# Altium PCB ecoVENTV_v1.1.PcbDoc (part 1 of 3) (continued)
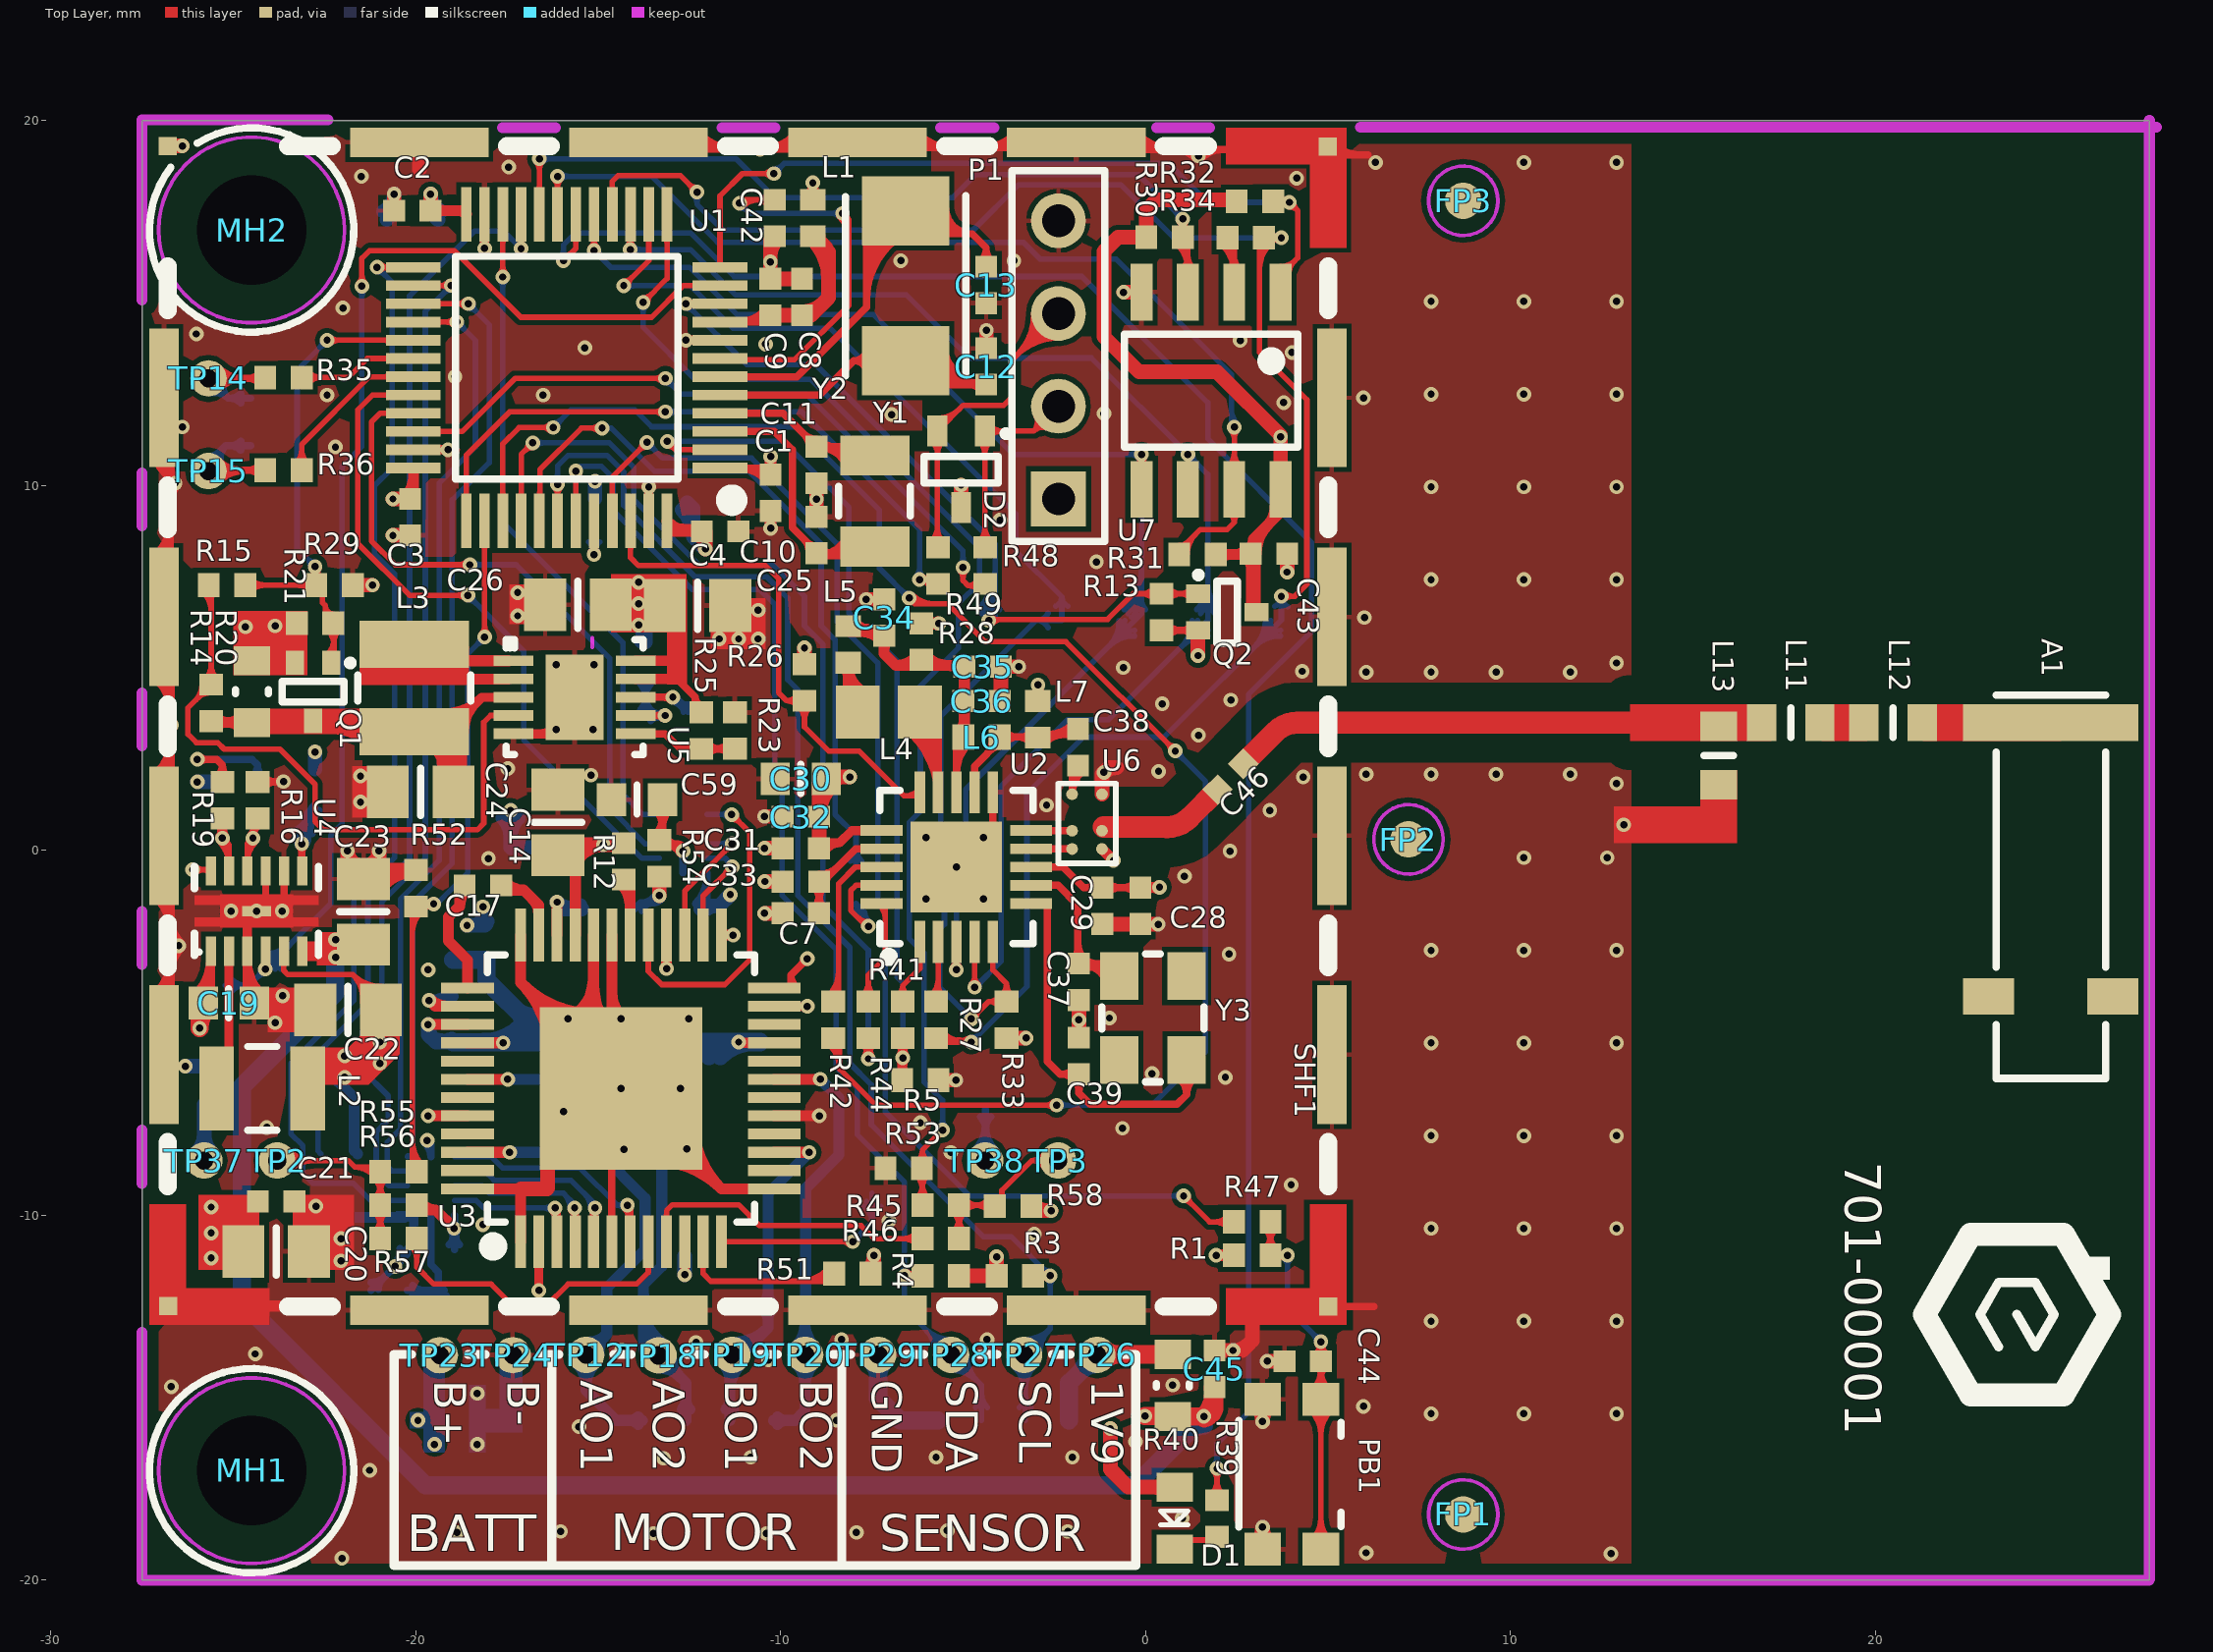
[diagram p0: Top Layer view]
## Footprints (in the part's own frame and the unit in brackets; to place one, negate y for a bottom-side part, rotate by r counter-clockwise, add the part's x,y. Pads: shape width x height; smd on the part's side, far side on the other; paste and mask are expansions set on the pad) (continued)
MOLEX_0781710004 [mm]
  rect 0.6x1 smd: 1(-1.8,1.875) 2(-0.6,1.875) 3(0.6,1.875) 4(1.8,1.875)
  rect 0.8x1 smd: 5(-3,-1.875) 6(3,-1.875)
  silkscreen extent -3.45,-2.39 3.45,2.39, body extent -3.3,-2.48 3.3,2.05, height 1.45
MURATA_LQW18A [mm]
  rect 0.8x1 smd mask+0.051: 1(-0.8,0) 2(0.8,0)
  silkscreen extent 0,-0.4 0,0.4, body extent -0.8,-0.45 0.8,0.45, height 0.81
QFN50P400X400X100-21N [mm]
  rect 1.15x0.29 smd mask+0.051: 1(-2.05,1) 2(-2.05,0.5) 3(-2.05,0) 4(-2.05,-0.5) 5(-2.05,-1) 11(2.05,-1) 12(2.05,-0.5) 13(2.05,0) 14(2.05,0.5) 15(2.05,1)
  rect 0.29x1.15 smd mask+0.051: 6(-1,-2.05) 7(-0.5,-2.05) 8(0,-2.05) 9(0.5,-2.05) 10(1,-2.05) 16(1,2.05) 17(0.5,2.05) 18(0,2.05) 19(-0.5,2.05) 20(-1,2.05)
  rect 2.5x2.5 smd mask+0.051: 21(0,0)
  silkscreen extent -2.59,-2.1 2.1,2.1, body extent -2.01,-2.01 2.01,2.01, height 0.78
QFP50P900X900X120-48N-TP [mm]
  rect 1.45x0.3 smd: 1(-4.2,2.75) 2(-4.2,2.25) 3(-4.2,1.75) 4(-4.2,1.25) 5(-4.2,0.75) 6(-4.2,0.25) 7(-4.2,-0.25) 8(-4.2,-0.75) 9(-4.2,-1.25) 10(-4.2,-1.75) 11(-4.2,-2.25) 12(-4.2,-2.75) 25(4.2,-2.75) 26(4.2,-2.25) 27(4.2,-1.75) 28(4.2,-1.25) 29(4.2,-0.75) 30(4.2,-0.25) 31(4.2,0.25) 32(4.2,0.75) 33(4.2,1.25) 34(4.2,1.75) 35(4.2,2.25) 36(4.2,2.75)
  rect 0.3x1.45 smd: 13(-2.75,-4.2) 14(-2.25,-4.2) 15(-1.75,-4.2) 16(-1.25,-4.2) 17(-0.75,-4.2) 18(-0.25,-4.2) 19(0.25,-4.2) 20(0.75,-4.2) 21(1.25,-4.2) 22(1.75,-4.2) 23(2.25,-4.2) 24(2.75,-4.2) 37(2.75,4.2) 38(2.25,4.2) 39(1.75,4.2) 40(1.25,4.2) 41(0.75,4.2) 42(0.25,4.2) 43(-0.25,4.2) 44(-0.75,4.2) 45(-1.25,4.2) 46(-1.75,4.2) 47(-2.25,4.2) 48(-2.75,4.2)
  rect 4.45x4.45 smd: 49(0,0)
  silkscreen extent -4.52,-3.66 3.66,3.7, body extent -4.51,-4.51 4.51,4.51, height 1.1
QFP50P900X900X160-48N [mm]
  rect 1.5x0.29 smd mask+0.051: 1(-4.2,2.75) 2(-4.2,2.25) 3(-4.2,1.75) 4(-4.2,1.25) 5(-4.2,0.75) 6(-4.2,0.25) 7(-4.2,-0.25) 8(-4.2,-0.75) 9(-4.2,-1.25) 10(-4.2,-1.75) 11(-4.2,-2.25) 12(-4.2,-2.75) 25(4.2,-2.75) 26(4.2,-2.25) 27(4.2,-1.75) 28(4.2,-1.25) 29(4.2,-0.75) 30(4.2,-0.25) 31(4.2,0.25) 32(4.2,0.75) 33(4.2,1.25) 34(4.2,1.75) 35(4.2,2.25) 36(4.2,2.75)
  rect 0.29x1.5 smd mask+0.051: 13(-2.75,-4.2) 14(-2.25,-4.2) 15(-1.75,-4.2) 16(-1.25,-4.2) 17(-0.75,-4.2) 18(-0.25,-4.2) 19(0.25,-4.2) 20(0.75,-4.2) 21(1.25,-4.2) 22(1.75,-4.2) 23(2.25,-4.2) 24(2.75,-4.2) 37(2.75,4.2) 38(2.25,4.2) 39(1.75,4.2) 40(1.25,4.2) 41(0.75,4.2) 42(0.25,4.2) 43(-0.25,4.2) 44(-0.75,4.2) 45(-1.25,4.2) 46(-1.75,4.2) 47(-2.25,4.2) 48(-2.75,4.2)
  silkscreen extent -4.7,-3.05 3.05,3.81, body extent -4.5,-4.5 4.5,4.5, height 1.5
RESC1005X40AN [mm]
  rect 0.6x0.65 smd mask+0.051: 1(-0.5,0) 2(0.5,0)
  body extent -0.5,-0.25 0.5,0.25, height 0.35
RESC1608X84N [mm]
  rect 0.8x1 smd mask+0.051: 1(-0.85,0) 2(0.85,0)
  silkscreen extent -0.05,-0.45 0.05,0.45, body extent -0.8,-0.4 0.8,0.4, height 0.45
RUT40P170X200X55-12N [mm]
  rect 0.6x0.2 smd paste-0.5: 1(-0.65,0.8) 2(-0.65,0.4) 3(-0.65,0) 4(-0.65,-0.4) 5(-0.65,-0.8) 7(0.65,-0.8) 8(0.65,-0.4) 9(0.65,0) 10(0.65,0.4) 11(0.65,0.8)
  rect 0.2x0.6 smd paste-0.5: 6(0,-0.8) 12(0,0.8)
  Top Layer region: -0.95,0.9 -0.95,0.7 -0.35,0.7 -0.35,1.1 -0.5,1.1 -0.5,0.9
  silkscreen extent -1.02,-1.17 1.02,1.17, body extent -0.85,-1 0.85,1, height 0.55
SOIC127P600X175-8N [mm]
  rect 1.55x0.6 smd mask+0.051: 1(-2.7,1.905) 2(-2.7,0.635) 3(-2.7,-0.635) 4(-2.7,-1.905) 5(2.7,-1.905) 6(2.7,-0.635) 7(2.7,0.635) 8(2.7,1.905)
  silkscreen extent -1.55,-2.37 1.55,2.37, body extent -3,-2.45 3,2.45, height 1.75
SON50P200X300X80-12-TP [mm]
  rect 0.8x0.28 smd mask+0.051: 1(-1.1,1.25) 2(-1.1,0.75) 3(-1.1,0.25) 4(-1.1,-0.25) 5(-1.1,-0.75) 6(-1.1,-1.25) 7(1.1,-1.25) 8(1.1,-0.75) 9(1.1,-0.25) 10(1.1,0.25) 11(1.1,0.75) 12(1.1,1.25)
  rect 0.28x0.8 smd mask+0.051: 13(0,0)
  Top Layer region: -0.45,1 -0.45,-1 -0.425,-1 -0.425,-1.7 -0.175,-1.7 -0.175,-1 0.175,-1 0.175,-1.7 0.425,-1.7 0.425,-1 0.45,-1 0.45,1 0.425,1 0.425,1.7 0.175,1.7 0.175,1 -0.175,1 -0.175,1.7 -0.425,1.7 -0.425,1
  silkscreen extent -1.22,-1.7 1.22,1.7, body extent -1,-1.5 1,1.5, height 0.81
SOT50P160X78-3N [mm]
  rect 0.66x0.5 smd mask+0.051: 1(-0.8,0.5) 2(-0.8,-0.5) 3(0.8,0)
  silkscreen extent -0.84,-0.85 0.28,1.07, body extent -0.85,-0.85 0.85,0.85, height 0.78
SOT65P210X110-3N [mm]
  rect 0.85x0.55 smd: 1(-1.05,0.65) 2(-1.05,-0.65) 3(1.05,0)
  silkscreen extent -1.02,-1.02 0.38,1.27, body extent -1.12,-1.1 1.12,1.1, height 1.1
STM_BALF_SPI [mm]
  round 0.32 smd paste-0.32 mask-0.05: A1(-0.41,0.75) A2(0.41,0.75) B1(-0.41,0.25) B2(0.41,0.25) C1(-0.41,-0.75) C2(0.41,-0.75)
  silkscreen extent -0.79,-1.04 0.79,1.14, body extent -0.7,-0.95 0.7,1.05, height 0.66
TEST_POINT_1MM [mm]
  round 1 smd paste-1: 1(0,0)
  body extent -0.5,-0.5 0.5,0.5, height 0.1
TEST_POINT_TH_1MM#1 [mm]
  round 1 hole 0.5 mask+0.051: 1(0,0)
TEST_POINT_TH_1MM#2 [mm]
  round 1 hole 0.5 mask+0.051: 1(0,1.27)
TQFN50P300X300X80-10N-TP [mm]
  rect 1.1x0.29 smd mask+0.051: 1(-1.675,1) 2(-1.675,0.5) 3(-1.675,0) 4(-1.675,-0.5) 5(-1.675,-1) 6(1.675,-1) 7(1.675,-0.5) 8(1.675,0) 9(1.675,0.5) 10(1.675,1)
  rect 1.58x2.35 smd paste+0 mask+0.051: 11(0,0)
  silkscreen extent -1.88,-1.57 1.88,1.57, body extent -1.5,-1.5 1.5,1.5, height 0.8

## Part data
A1: library part AM11DG-ST01, "Mitscubishi SMD Chip Antenna 3.0X10.5mm"
C1 C2 C3 C4 C7 C15 C16 C21 C27 C29 C32 C35 C44 C47 C48 C49 C54 C55 C57 C58: library part "Cap-1005 (0402) CER 0.1UF 16V X7R 10%", "CAP CER 0.1UF 0402 (1005) 16V X7R 10%"
C5 C6 C19 C30 C56 C59: library part "Cap-1608 (0603) CER 10uF 10V X5R 20%", "Capacitor Ceramic 10uF 1608 (0603) 10V X5R 20%"
C8 C42: library part "Cap-1005 (0402) CER 10nF 10V X7R 10%", "Cap-1005 (0402) CER 10nF 10V X7R 10%"
C9 C34 C43 C45: library part "Cap-1005 (0402) CER 1uF 10V X5R 10%", "Cap-1005 (0402) CER 1uF 10V X5R 10%"
C10 C11: library part "Cap-1005 (0402) CER 7pF 50V C0G 0.5pF", "Cap-1005 (0402) CER 7pF 50V C0G 0.5pF"
C12 C13: library part "Cap-1005 (0402) CER 27pF 50V NP0 5%", "CAP CER 27PF 50V 5% NP0 0402 (1005)"
C14 C24: library part "Cap-2012 (0805) CER 4.7uF 10V X5R 10%", "Capacitor Ceramic 4.7uF 2012 (0805) 10V X5R 10%"
C17: library part "Cap-1005 (0402) CER 22nF 50V X7R 10%", "Cap-1005 (0402) CER 22nF 50V X7R 10%"
C18: library part "Cap-1005 (0402) Cer 470nF 16V X5R 10%", "CAP Cer 470nF 0402 (1005) 16V X5R 10%"
C20 C22 C23 C25 C26: library part "Cap-2012 (0805) CER 10uF 10V X5R 10%", "Capacitor Ceramic 10uF 2012 (0805) 10V X5R 10%"
C28 C31 C33: library part "Cap-1005 (0402) CER 100PF 16V C0G 10%", "CAP CER 100PF 0402 (1005) 16V C0G 10%"
C36 C50 C51 C52 C53: library part "Cap-1005 (0402) CER 330pF 50V C0G 5%", "Cap-1005 (0402) CER 330pF 50V C0G 5%"
C37 C39: library part "Cap-1005 (0402) CER 30pF 50V NP0 5%", "CAP CER 30PF 50V 5% NP0 0402 (1005)"
C38 C46: library part "Cap-1005 (0402) CER 220pF 50V C0G 5%", "Cap-1005 (0402) CER 220pF 50V C0G 5%"
C60 C61: library part "Cap-2012 (0805) TAN 10uF 16V 20%", "Cap-2012 (0805) TAN 10uF 16V 20%"
D1: "LED Red 0603 20mA"
D2 D3: "30kV ESD Protection Diode, Vr=2.5V, Vz=5.6V, Ilkg=1uA"
FP1 FP2 FP3 FP4 FP5 FP6: "Fiducial point"
L1 L8 L14 L15: library part "FBead-1005 (0402) 220 Ohm 800mA", "FERRITE BEAD 220 Ohm 800mA 0402"
L2: library part "Ind-2518 (1007) 2.2uH 510mA 20%", "Inductor 2.2uH 510mA 20% 1007"
L3: library part "Ind-3.0X3.0mm 2.2uH 1.25A 20%", "Inductor 2.2uH 1.25A 20% 3.0X3.0mm"
L4: library part "Ind-2012 (0805) 10uH 100mA 20%", "Inductor 10uH 100mA 20% 0805 SMD"
L5: library part "Ind-1005 (0402) 27nH 300mA 5%", "Inductor 27nH 300mA 5% 0402 SMD"
L6 L7: library part "Ind-1005 (0402) 100nH 150mA 5%", "Inductor 100nH 150mA 5% 0402 SMD"
L11: library part "Ind-1608 (0603) 39nH 400mA 2%", "Inductor 39nH 400mA 2% 0603 SMD Wirewound"
L12: library part "Ind-1608 (0603) 8.7nH 650mA 0.5nH", "Inductor 8.7nH 650mA 0.5nH 0603 SMD Wirewound"
L13: library part "Ind-1608 (0603) 7.5nH 750mA 0.5nH", "Inductor 7.5nH 750mA 0.5nH 0603 SMD Wirewound"
MH1 MH2: "Mounting Hole Not-plated"
P1: library part "Header 4", "Header, 4-Pin"
P2 P4: library part "Connector MOLEX Pico-EZmate 1X4 1.2mm", "1.2mm pitch Pico-EZmate, Wire to Board, Vertical, with Locks, 1X4"
P3: library part "Connector MOLEX Pico-EZmate 1X2 1.2mm", "1.2mm pitch Pico-EZmate, Wire to Board, Vertical, with Locks, 1X2"
PB1: library part KMR221NG, "Push Button SPST-NO 4.6X2.8mm"
Q1 Q2 Q3: "P-MOSFET Single 0.83A Low Vgs"
R1 R2 R3 R4 R5 R9 R10 R11 R13 R16 R17 R18 R19 R21 R24 R26 R29 R30 R31 R32 R33 R56 R58: library part "Res-1005 (0402) 100 KOhm 1/16W 1%", "Res-1005 (0402) 100 KOhm 1/16W 1%"
R6: library part "Res-1005 (0402) 10 Ohm 1/16W 1%", "Res-1005 (0402) 10 Ohm 1/16W 1%"
R12: library part "Res-1005 (0402) 22 KOhm 1/16W 1%", "Res-1005 (0402) 22 KOhm 1/16W 1%"
R14 R15 R22 R25 R28: library part "Res-1005 (0402) 0 Ohm 1/16W", "Res-1005 (0402) 0 Ohm 1/16W"
R20 R40: library part "Res-1608 (0603) 0 Ohm 1/10W", "Res-1608 (0603) 0 Ohm 1/10W"
R23: library part "Res-1005 (0402) 105 KOhm 1/16W 1%", "Res-1005 (0402) 105 KOhm 1/16W 1%"
R27 R34 R35 R36 R41 R42 R43 R44 R45 R46 R47 R48 R49 R55 R57: library part "Res-1005 (0402) 22 Ohm 1/8W 1%", "Res-1005 (0402) 22 Ohm 1/8W 1%"
R39: library part "Res-1005 (0402) 200 Ohm 1/10W 5%", "Res-1005 (0402) 200 Ohm 1/10W 5%"
R50 R54: library part "Res-1005 (0402) 100 Ohm 1/16W 1%", "Res-1005 (0402) 100 Ohm 1/16W 1%"
R51 R52 R53: library part "Res-1005 (0402) 49.9 KOhm 1/16W 1%", "Res-1005 (0402) 49.9 KOhm 1/16W 1%"
SHF1: library part BMI-S-204-F, "Board Level Shield 32X32mm, 6mm Height, Frame"
TP1 TP4 TP5 TP6 TP7 TP8 TP9 TP10 TP11 TP13 TP21 TP22 TP25 TP30 TP31 TP32 TP33 TP34 TP35 TP36: library part TP, "Test point"
TP2 TP3 TP12 TP14 TP15 TP18 TP19 TP20 TP23 TP24 TP26 TP27 TP28 TP29 TP37 TP38: library part "TP TH", "Test point Through Hole"
U1: "48-Pin, Access line, ultra-low-power, 32-bit MCU"
U2: "Low data rate, low power sub-1GHZ transceiver"
U3: "Universal high voltage controller/driver for two-phase bipolar stepper motor"
U4: "360nA Iq Step Down Converter for Low Power Applications"
U5: "100nA Iq Step Up Converter for Low Power Applications"
U6: "50 Ohm Balun to Spirit1 With Integrated Harmonic Filter"
U7: library part W25Q80BW, "SPI Flash 8Mbit 1.8V 7uA sleep current"
U9 U10: "4-bit Bidirectional Voltage Translator"
Y1: library part "ABS07-32.768KHz 7pF", "Crystal 32.768KHZ 3.2mm x 1.5 mm 7pF"
Y2: library part ABM3-16.000, "Crystal Oscillator 16MHz 5.0X3.2mm"
Y3: library part CX3225GB50, "Crystal 50.000MHZ 3.2mm x 2.5mm 18pF"

## Via types
v1: diameter 0.4, hole 0.2, Top Layer to Bottom Layer, tented both sides, 327 vias
v2: diameter 0.4, hole 0.2, Top Layer to Bottom Layer, tented top, 11 vias
v3: diameter 0.4, hole 0.2, Top Layer to Bottom Layer, 7 vias

## Nets (pads, with @x,y where several pads share a name; then routed paths per layer and width w, separated by ;. In a path a pad name is that pad's centre, name@x,y a point inside that pad or via, vN(x,y) a via of type N, cw(c..) or ccw(c..) an arc to the next point about the centre after c; other vN are vias at no path point)
1V9: C1.1 C2.1 C3.1 C4.1 C5.1 C6.1 C22.1 D1.1 L1.2 L2.2 P1.1 Q2.2 Q3.2 R1.1 R3.1 R4.1 R9.2 R10.1 R13.1 TP7.1 U1.1 U1.24 U1.36 U1.48 U4.5 | length 36.8
  Top Layer w0.15: -23.623,-3.202 cw(c-23.434,-3.202) U4.5@-23.567,-3.069 ; U4.5@-23.623,-2.684 -23.623,-3.29 -23.505,-3.408 -21.727,-3.408 ; -21.502,-3.632 cw(c-21.992,-4.123) C22.1@-21.303,-4.189 ; C22.1@-21.474,-3.661 ccw(c-20.962,-3.15) C22.1@-20.957,-3.873 ; C22.1@-21.452,-4.175 ccw(c-22.402,-4.083) -21.727,-3.408 ; C22.1@-20.958,-3.723 cw(c-20.966,-2.647) -21.727,-3.408 ; C22.1@-20.552,-4.757 -21.194,-4.114 -21.194,-3.941 -21.727,-3.408
  Top Layer w0.2: U1.1@-11.666,10.477 -10.457,10.477 C1.1@-10.278,10.298 ccw(c-10.71,9.866) -10.71,10.477 ; U1.1@-11.193,10.477 cw(c-11.193,9.383) C1.1@-10.42,10.157 ; R13.1@0.429,6.031 Q2.2@1.432,6.031 ; R13.1@0.595,5.89 cw(c0.936,5.548) 0.936,6.031 cw(c0.936,6.514) R13.1@0.595,6.172 ; Q2.2@1.246,5.925 ccw(c0.99,5.669) 0.99,6.031 ccw(c0.99,6.393) Q2.2@1.246,6.137
  Top Layer w0.254: C1.1@-10.401,10.42 ccw(c-10.696,10.716) -10.278,10.716 ccw(c-9.861,10.716) C1.1@-10.156,10.42 ; v1@-10.341,10.755 cw(c-10.552,10.633) C1.1@-10.317,10.57 ; C1.1@-10.278,10.298 v1(-10.278,10.791) ; C1.1@-10.239,10.57 cw(c-10.004,10.633) v1@-10.215,10.755 ; v1(1.927,-11.097) R1.1@2.418,-11.097 ; v1@1.964,-11.16 cw(c2.084,-11.368) R1.1@2.146,-11.136 ; v1@1.964,-11.033 ccw(c2.084,-10.825) R1.1@2.146,-11.057 ; R1.1@2.295,-11.219 ccw(c2,-11.514) 2,-11.097 ccw(c2,-10.679) R1.1@2.295,-10.974
  Top Layer w0.3: C3.1@-20.262,9.737 ccw(c-20.735,10.21) -20.066,10.21 ; C3.1@-20.156,9.631 -20.066,9.721 U1.36@-20.066,10.443 ; C2.1@-19.595,17.529 U1.24@-18.621,17.529 ; C2.1@-19.489,17.423 cw(c-19.232,17.167) -19.232,17.529 cw(c-19.232,17.891) C2.1@-19.489,17.635 ; -18.851,17.529 cw(c-18.851,17.192) U1.24@-18.613,17.431 ; U1.48@-13.12,9.023 ccw(c-12.437,9.706) C4.1@-12.437,8.741 ; U1.48@-13.11,8.741 C4.1@-12.162,8.741 C4.1@-12.144,8.723 ; -12.696,8.81 ccw(c-12.54,9.395) C4.1@-12.237,8.871 ; C4.1@-12.268,8.635 ccw(c-12.524,8.379) -12.524,8.741 ccw(c-12.524,9.103) C4.1@-12.268,8.847 ; L1.2@-9.228,17.932 ccw(c-9.484,18.188) -9.122,18.188 ccw(c-8.76,18.188) L1.2@-9.016,17.932 ; L1.2@-9.122,17.826 v1(-9.122,18.291)
  Top Layer w0.4: v1@-20.628,9.631 C3.1@-20.162,9.631 ; C2.1@-19.595,17.529 v1(-19.595,17.985) ; C4.1@-12.233,8.67 cw(c-12.629,8.273) v1@-12.068,8.273 ; v1(-12.068,8.258) C4.1@-12.068,8.723 ; R4.1@-5.117,-11.655 R3.1@-4.085,-11.655 v1(-4.085,-11.139) ; v1(-0.968,-15.846) -0.968,-16.964 -0.482,-17.45 -0.228,-17.45 D1.1@0.8,-17.45 ; D1.1@0.559,-17.591 ccw(c0.217,-17.933) 0.217,-17.45 ccw(c0.217,-16.967) D1.1@0.559,-17.309 ; v1(1.432,5.337) Q2.2@1.432,6.031
  Bottom Layer w0.3: TP7.1@-22.127,-6.347 -21.695,-6.779 -21.695,-8.222 Q3.2@-21.601,-8.315
  Bottom Layer w0.4: R10.1@-22.762,2.23 v1(-22.762,2.696) ; C6.1@-19.395,17.279 -19.595,17.479 v1(-19.595,17.985) ccw(c-19.057,17.985) C6.1@-19.303,17.507 ; C5.1@-12.706,9.337 cw(c-13.45,8.593) -12.398,8.593 ; C5.1@-12.565,9.528 -12.398,9.362 -12.398,8.588 v1(-12.068,8.258)
  other v1: -21.949,-6.22 -20.984,-5.839 -21.949,-5.636 -20.984,-5.255 -20.628,9.63
1V9_LS: C54.1 C57.1 Q3.3 R50.1 R54.1 U9.1 U10.1 | length 10.8
  Top Layer w0.4: v1(-13.328,-1.241) R54.1@-13.328,-0.719
  Bottom Layer w0.2: R50.1@-21.23,-12.062 -20.23,-11.062 C54.1@-20.23,-10.919 -20.087,-10.776 -20.087,-10.142 U9.1@-20.237,-9.992 ; R50.1@-21.23,-11.837 ccw(c-21.23,-11.294) -20.845,-11.678 ; R50.1@-21.03,-12.037 cw(c-20.607,-12.037) -20.906,-11.738 ; v1@-20.672,-11.504 ccw(c-21.258,-10.919) C54.1@-20.43,-10.919 ; v1@-20.669,-11.401 cw(c-20.911,-11.401) -20.74,-11.572 cw(c-20.569,-11.743) v1@-20.569,-11.501 ; v1@-20.569,-11.301 ccw(c-20.569,-11.06) -20.398,-11.231 ccw(c-20.228,-11.401) v1@-20.469,-11.401 ; v1@-20.478,-11.36 cw(c-20.273,-11.265) C54.1@-20.469,-11.152 ; C57.1@-13.999,-1.605 C57.1@-13.838,-1.445 ; C57.1@-13.805,-1.656 cw(c-13.531,-1.728) -13.531,-1.445 ; -13.502,-1.445 ccw(c-13.502,-1.147) v1@-13.24,-1.289 ; v1@-13.428,-1.241 cw(c-13.669,-1.241) -13.499,-1.412 cw(c-13.328,-1.583) v1@-13.328,-1.341 ; v1@-13.416,-1.194 cw(c-13.838,-0.963) C57.1@-13.838,-1.445 ; v1@-13.399,-1.171 ccw(c-13.569,-1) -13.328,-1 ccw(c-13.086,-1) v1@-13.257,-1.171 ; U10.1@-13.328,-0.619 v1(-13.328,-1.241) -13.531,-1.445 ; C57.1@-13.838,-1.445 -13.531,-1.445
  Bottom Layer w0.3: Q3.3@-22.076,-9.915 -21.936,-10.055 U9.1@-20.3,-10.055
  other v1: -20.569,-11.401
5V: C18.1 C25.1 C26.1 C47.1 C55.1 C58.1 L8.2 R6.2 R22.1 R25.2 R56.1 R58.1 TP11.1 U3.10 U3.34 U5.9 U5.10 U9.11 U10.11 | length 25.2
  Top Layer w0.2: -12.845,4.694 -12.348,4.197 ; R25.2@-12.174,3.78 -12.348,3.78 -12.348,4.197 ; R25.2@-12.164,3.977 cw(c-12.124,4.197) -12.348,4.197
  Top Layer w0.25: C25.1@-13.447,6.482 C25.1@-13.391,6.426 ; C25.1@-13.295,6.812 C25.1@-12.891,6.409 ; v1(-12.63,-11.63) U3.10@-12.63,-10.725
  Top Layer w0.29: U5.9@-13.975,4.694 -12.845,4.694 ; U5.10@-13.975,5.194 -12.853,5.194
  Top Layer w0.3: R56.1@-19.976,-9.725 -19.849,-9.852 -19.46,-9.852 ; R56.1@-19.857,-9.658 ccw(c-19.46,-9.348) -19.46,-9.852 ; v1(-18.952,-10.36) -19.46,-9.852 ; v1(-16.132,-1.419) -16.13,-1.422 U3.34@-16.13,-2.325
  Top Layer w0.4: R58.1@-3.135,-9.75 -3.008,-9.877 v1(-2.594,-9.877) ; R58.1@-3.065,-9.705 ccw(c-2.648,-9.288) v1@-2.648,-9.877
  Bottom Layer w0.2: C55.1@-19.085,-10.803 ccw(c-19.426,-10.461) -18.944,-10.461 ccw(c-18.461,-10.461) C55.1@-18.802,-10.803 ; v1@-19.033,-10.417 cw(c-19.258,-10.575) C55.1@-18.993,-10.646 ; v1@-19.022,-10.431 cw(c-19.212,-10.621) -18.944,-10.621 ; v1@-19.022,-10.289 ccw(c-19.212,-10.099) -18.944,-10.099 ; C55.1@-18.944,-10.944 -18.944,-9.999 U9.11@-18.937,-9.992 ; -18.944,-10.582 cw(c-18.729,-10.582) v1@-18.881,-10.431 ; -18.944,-10.138 ccw(c-18.729,-10.138) v1@-18.881,-10.289 ; -18.895,-10.641 cw(c-18.601,-10.562) v1@-18.865,-10.41 ; C58.1@-12.337,-1.464 ccw(c-13.082,-0.718) U10.11@-12.028,-0.718 ; -12.028,-1.201 cw(c-12.599,-1.201) C58.1@-12.195,-1.605 -12.028,-1.438 U10.11@-12.028,-0.619
  Bottom Layer w0.4: v1(-18.596,-2.054) -18.105,-2.054 L8.2@-18.063,-2.011 ; v1@-18.457,-2.054 ccw(c-18.457,-1.667) L8.2@-18.183,-1.941 ; v1@-18.164,-1.645 ccw(c-17.747,-1.645) L8.2@-18.042,-1.941 ; TP11.1@-17.614,0.883 cw(c-18.126,0.371) -17.402,0.371 cw(c-16.678,0.371) TP11.1@-17.19,0.883 ; v1(-17.402,1.095) -17.402,0.071 -16.421,0.071 R6.2@-16.404,0.054 ; C18.1@-15.684,-1.605 cw(c-15.684,-0.971) v1(-16.132,-1.419) ; C18.1@-15.493,-1.516 cw(c-15.746,-1.033) v1(-16.132,-1.419) ; C18.1@-15.446,-1.605 -15.946,-1.605 v1(-16.132,-1.419) ; R22.1@-13.82,5.724 ccw(c-14.177,5.895) v1(-13.897,6.175) ; R22.1@-13.705,5.706 -13.705,5.983 v1(-13.897,6.175) ; R22.1@-13.705,5.711 ccw(c-14.361,5.711) v1(-13.897,6.175) ; v1(-12.63,-11.63) -12.63,-11.117 C47.1@-12.627,-11.114 ; C58.1@-12.195,-1.605 -12.111,-1.521 -11.687,-1.521 v1(-11.382,-1.216) ; C58.1@-12.124,-1.676 cw(c-11.75,-2.05) -11.75,-1.521 ; L8.2@-18.063,-2.011 cw(c-17.751,-1.7) v1(-18.164,-1.546) -18.164,-1.91 L8.2@-18.063,-2.011
  other v1: -13.897,6.76 -13.897,7.344
5V_REG: C14.1 R6.1 R12.2 U3.33 | length 6.9
  Top Layer w0.3: C14.1@-15.929,-0.338 -15.63,-0.637 U3.33@-15.63,-2.325
  Top Layer w0.4: C14.1@-16.296,0.029 -15.929,-0.338 C14.1@-15.842,-0.251 ; C14.1@-16.107,-0.135 -15.816,0.156 v1(-14.862,0.156) ; C14.1@-15.624,-0.307 cw(c-14.862,-0.702) v1(-14.862,0.156) ; v1@-14.673,0.156 ccw(c-14.673,0.543) R12.2@-14.399,0.269 ; R12.2@-14.303,0.198 -14.346,0.156 v1(-14.862,0.156)
  Bottom Layer w0.4: R6.1@-15.404,0.054 -15.302,0.156 v1(-14.862,0.156) ; R6.1@-15.333,0.008 cw(c-14.977,-0.347) v1@-14.977,0.156
5VS: C15.1 C16.1 C48.1 C49.1 C60.1 C61.1 L8.1 U3.21 U3.39 U3.40 | length 23.4
  Top Layer w0.29: v1@-11.154,-5.275 U3.21@-10.18,-5.275
  Top Layer w0.3: v1@-19.663,-4.775 U3.39@-18.58,-4.775 ; U3.40@-18.58,-5.275 v1(-17.605,-5.275)
  Bottom Layer w0.4: v1@-19.663,-4.775 -19.663,-5.051 ; v1(-19.663,-4.772) ccw(c-18.988,-4.772) -19.465,-5.249 ; C16.1@-19.018,-5.171 cw(c-19.253,-4.642) -19.663,-5.051 ; C16.1@-18.977,-5.263 -19.452,-5.263 -19.663,-5.051
  Bottom Layer w0.5: C16.1@-18.977,-5.263 C48.1@-18.139,-5.263 C48.1@-18.131,-5.255 ; C15.1@-18.977,-3.002 -18.072,-3.002 L8.1@-18.063,-3.011 -18.063,-3.562 C61.1@-16.818,-4.807 -16.818,-5.204 C61.1@-16.767,-5.255 ; C61.1@-17.245,-4.38 ccw(c-16.818,-3.953) C61.1@-16.818,-4.557 ; C61.1@-17.184,-4.44 cw(c-17.526,-4.782) C61.1@-17.043,-4.782 ; C61.1@-17.118,-5.255 ccw(c-17.118,-4.602) C61.1@-16.6,-4.999 ; C61.1@-16.997,-4.695 cw(c-18.131,-3.826) C48.1@-18.131,-5.255 ; -12.888,-5.255 cw(c-12.888,-6.548) C60.1@-11.973,-5.633 ; C60.1@-11.655,-5.633 cw(c-10.741,-6.548) C49.1@-10.741,-5.255 ; C49.1@-10.57,-5.255 v1(-11.154,-5.255) ; C48.1@-18.131,-5.255 C61.1@-16.767,-5.255 ; C61.1@-16.767,-5.255 v1(-11.154,-5.255) ; v1(-11.154,-5.255) ccw(c-11.154,-5.742) -11.606,-5.559 cw(c-11.154,-5.742) v1(-11.154,-5.255)
\DRVSW_L: R57.2 U3.8 | length 9.9
  Top Layer w0.15: R57.2@-20.135,-10.824 cw(c-20.519,-11.208) -19.976,-11.208 cw(c-19.432,-11.208) R57.2@-19.816,-10.824 ; R57.2@-19.976,-10.639 -19.976,-11.419 -19.51,-11.884 -17.936,-11.884 -17.326,-12.494 -16.437,-12.494 -15.827,-11.884 -13.948,-11.884 -13.63,-11.566 U3.8@-13.63,-10.725 ; U3.8@-13.683,-11.353 cw(c-13.811,-11.481) -13.63,-11.481 cw(c-13.449,-11.481) U3.8@-13.577,-11.353
\DRVSW_R: R46.2 U3.9 | length 9.5
  Top Layer w0.15: U3.9@-13.183,-10.097 ccw(c-13.311,-9.969) -13.13,-9.969 ccw(c-12.949,-9.969) U3.9@-13.077,-10.097 ; U3.9@-13.13,-10.725 -13.13,-9.872 -12.97,-9.712 -11.154,-9.712 -10.582,-10.284 -7.801,-10.284 -7.445,-10.639 R46.2@-6.117,-10.639 ; R46.2@-6.276,-10.798 ccw(c-6.66,-11.183) -6.66,-10.639 ccw(c-6.66,-10.096) R46.2@-6.276,-10.48
\LED1: R39.1 U1.18 | length 56.9
  Top Layer w0.15: v1(-15.954,16.158) -15.616,16.496 U1.18@-15.616,17.427 ; v1@-15.954,16.283 ccw(c-15.954,16.584) -15.741,16.371 ccw(c-15.528,16.158) v1@-15.829,16.158 ; U1.18@-15.666,16.773 cw(c-15.785,16.653) -15.616,16.653 cw(c-15.447,16.653) U1.18@-15.567,16.773 ; R39.1@1.794,-17.651 ccw(c1.409,-17.267) 1.953,-17.267 ccw(c2.496,-17.267) R39.1@2.112,-17.651 ; v1@1.864,-17.027 cw(c1.651,-17.24) 1.953,-17.24 cw(c2.254,-17.24) v1@2.041,-17.027 ; R39.1@1.953,-17.81 v1(1.953,-16.939)
  Bottom Layer w0.15: v1@-16.043,16.246 ccw(c-16.256,16.459) -15.954,16.459 ccw(c-15.653,16.459) v1@-15.866,16.246 ; v1(-15.954,16.158) -15.954,16.589 -15.624,16.92 -12.475,16.92 -11.28,15.725 -1.755,15.725 1.699,12.271 1.699,11.281 4.543,8.436 4.543,5.998 2.816,4.27 2.816,-15.396 1.953,-16.259 v1(1.953,-16.939) ; v1@1.864,-16.85 ccw(c1.651,-16.637) 1.953,-16.637 ccw(c2.254,-16.637) v1@2.041,-16.85
\LS_POW_EN: Q3.1 R9.1 U1.21 | length 29
  Top Layer w0.15: U1.21@-17.166,16.773 cw(c-17.285,16.653) -17.116,16.653 cw(c-16.947,16.653) U1.21@-17.067,16.773
  Bottom Layer w0.15: Q3.1@-22.601,-8.315 -22.685,-8.231 -22.685,-7.507 -22.914,-7.279 -22.914,-5.788 -21.314,-4.188 -21.314,-1.368 -20.171,-0.225 -20.171,15.192 -18.393,16.97 -17.599,16.97 v1(-17.116,16.488)
\MCUSW_L: R52.2 R55.2 U1.38 | length 23.9
  Top Layer w0.15: R52.2@-20.177,-1.697 cw(c-20.376,-1.896) -20.095,-1.896 ; -20.095,-8.317 ccw(c-19.507,-8.317) R55.2@-19.923,-8.733 ; -20.095,-7.955 ccw(c-19.145,-7.955) R55.2@-19.816,-8.626 ; -20.095,-2.266 cw(c-19.29,-2.266) R52.2@-19.859,-1.697 ; -20.095,-1.904 cw(c-19.652,-1.904) R52.2@-19.965,-1.591 ; R55.2@-19.976,-8.811 -20.095,-8.692 -20.095,-1.64 R52.2@-19.993,-1.538 -19.925,-1.47 v1(-19.51,-1.47) ccw(c-19.51,-1.749) R52.2@-19.764,-1.632 ; R52.2@-19.809,-1.379 ccw(c-19.589,-1.16) v1@-19.589,-1.47 ; v1@-19.628,-1.513 ccw(c-19.742,-1.555) -19.71,-1.438 ccw(c-19.688,-1.353) v1@-19.615,-1.401 ; v1@-19.599,-1.558 ccw(c-19.812,-1.772) -19.812,-1.47 ccw(c-19.812,-1.168) v1@-19.599,-1.382 ; v1@-18.202,5.934 ccw(c-18.408,6.14) -18.116,6.14 ; U1.38@-18.166,8.373 cw(c-18.285,8.253) -18.116,8.253 cw(c-17.947,8.253) U1.38@-18.067,8.373 ; v1@-18.116,5.845 U1.38@-18.116,9.027 ; -18.116,6.154 ccw(c-17.805,6.154) v1@-18.025,5.934
  Bottom Layer w0.15: v1@-19.472,-1.508 -18.571,-0.606 -18.571,5.391 v1@-18.116,5.845 ; -18.332,5.63 cw(c-18.113,5.412) v1@-18.113,5.72 ; -18.325,5.637 ccw(c-18.533,5.845) v1@-18.238,5.845
  other v1: -18.113,5.845
\MCUSW_R: R45.2 R53.2 U1.13 | length 39
  Top Layer w0.15: v1(-13.77,15.015) -13.116,15.668 U1.13@-13.116,17.427 ; v1@-13.77,15.14 ccw(c-13.77,15.441) -13.557,15.228 ccw(c-13.343,15.015) v1@-13.645,15.015 ; U1.13@-13.166,16.773 cw(c-13.285,16.653) -13.116,16.653 cw(c-12.947,16.653) U1.13@-13.067,16.773 ; R53.2@-6.292,-8.893 cw(c-6.714,-9.316) -6.117,-9.316 ; R45.2@-6.276,-9.541 ccw(c-6.66,-9.157) -6.117,-9.157 ccw(c-5.573,-9.157) R45.2@-5.957,-9.541 ; R53.2@-6.263,-8.5 ccw(c-6.462,-8.218) -6.117,-8.218 ; R45.2@-6.117,-9.725 -6.117,-8.218 ; -6.117,-9.239 cw(c-5.628,-9.239) R53.2@-5.973,-8.893 ; R53.2@-5.983,-8.516 cw(c-5.719,-8.218) -6.117,-8.218 ; v1@-5.691,-7.668 cw(c-5.993,-7.668) -5.779,-7.881 cw(c-5.566,-8.094) v1@-5.566,-7.793 ; v1(-5.566,-7.668) -6.117,-8.218
  Bottom Layer w0.15: v1@-13.858,14.926 cw(c-14.072,14.713) -13.77,14.713 cw(c-13.468,14.713) v1@-13.682,14.926 ; v1(-13.77,15.015) -13.77,14.329 -12.348,12.906 -9.173,12.906 -4.55,8.284 -4.55,7.344 -5.134,6.76 -5.134,5.54 -6.175,4.499 -6.175,1.07 -6.48,0.765 -6.48,-2.41 -6.074,-2.816 -6.074,-6.347 -5.566,-6.855 v1(-5.566,-7.668) ; v1@-5.654,-7.579 ccw(c-5.868,-7.366) -5.566,-7.366 ccw(c-5.264,-7.366) v1@-5.477,-7.579
\PB_IN: C44.1 PB1.1 PB1.2 R1.2 R47.2 | length 22.8
  Top Layer w0.15: R1.2@3.259,-10.912 ccw(c2.875,-10.528) 3.418,-10.528 ccw(c3.961,-10.528) R1.2@3.577,-10.912 ; R47.2@3.259,-10.366 cw(c2.875,-10.75) 3.418,-10.75 cw(c3.961,-10.75) R47.2@3.577,-10.366 ; R47.2@3.418,-10.182 R1.2@3.418,-11.097 v1(3.883,-11.097) ; R1.2@3.594,-11.236 cw(c3.883,-11.465) v1(3.883,-11.097) ; R1.2@3.594,-10.957 ccw(c3.883,-10.728) v1(3.883,-11.097) ; v1@3.795,-11.185 ccw(c3.581,-11.398) 3.581,-11.097 ccw(c3.581,-10.795) v1@3.795,-11.008 ; PB1.2@4.535,-18.935 ccw(c3.895,-18.295) 4.8,-18.295 ccw(c5.705,-18.295) PB1.2@5.065,-18.935 ; PB1.1@4.535,-15.365 cw(c3.895,-16.005) 4.8,-16.005 cw(c5.705,-16.005) PB1.1@5.065,-15.365 ; PB1.1@4.535,-14.835 ccw(c3.895,-14.195) 4.8,-14.195 ccw(c5.705,-14.195) PB1.1@5.065,-14.835 ; PB1.2@4.641,-19.041 ccw(c4.257,-18.657) 4.8,-18.657 ccw(c5.343,-18.657) PB1.2@4.959,-19.041 ; PB1.1@4.641,-15.259 cw(c4.257,-15.643) 4.8,-15.643 cw(c5.343,-15.643) PB1.1@4.959,-15.259 ; PB1.1@4.641,-14.941 ccw(c4.257,-14.557) 4.8,-14.557 ccw(c5.343,-14.557) PB1.1@4.959,-14.941 ; C44.1@4.658,-14.109 cw(c4.313,-14.453) 4.8,-14.453 ; C44.1@4.662,-13.786 ccw(c4.362,-13.467) v1(4.8,-13.467) ; v1@4.708,-13.552 cw(c4.603,-13.649) 4.741,-13.686 cw(c4.88,-13.723) v1@4.837,-13.586 ; v1@4.712,-13.555 cw(c4.498,-13.769) 4.8,-13.769 cw(c5.102,-13.769) v1@4.888,-13.555 ; PB1.2@4.8,-19.2 v1(4.8,-13.467) ; 4.8,-14.533 cw(c5.4,-14.533) C44.1@4.976,-14.109 ; C44.1@4.951,-13.769 cw(c5.178,-13.467) v1(4.8,-13.467)
  Bottom Layer w0.15: v1@3.795,-11.185 cw(c3.581,-11.398) 3.883,-11.398 cw(c4.185,-11.398) v1@3.971,-11.185 ; v1(3.883,-11.097) 3.883,-12.55 v1(4.8,-13.467) ; v1@4.675,-13.467 ccw(c4.373,-13.467) 4.587,-13.254 ccw(c4.8,-13.04) v1@4.8,-13.342
\REFSW_L: R55.1 R56.2 R57.1 TP2.1 | length 12
  Top Layer w0.15: TP2.1@-23.8,-8.5 -21.853,-8.5 -21.669,-8.684 ; TP2.1@-23.606,-8.694 cw(c-23.136,-9.164) -23.136,-8.5 cw(c-23.136,-7.836) TP2.1@-23.606,-8.306 ; TP2.1@-23.499,-8.801 cw(c-22.774,-9.526) -22.774,-8.5 cw(c-22.774,-7.474) TP2.1@-23.499,-8.199 ; -21.351,-8.684 cw(c-21.351,-9.095) R55.1@-21.033,-8.833 ; R55.1@-21.273,-8.684 ccw(c-21.273,-8.489) R55.1@-21.135,-8.626 ; R55.1@-21.149,-8.929 ccw(c-21.669,-9.358) -21.669,-8.684 ; R57.1@-21.135,-10.455 ccw(c-21.519,-10.071) -20.976,-10.071 ccw(c-20.432,-10.071) R57.1@-20.816,-10.455 ; R56.2@-21.135,-9.909 cw(c-21.519,-10.293) -20.976,-10.293 cw(c-20.432,-10.293) R56.2@-20.816,-9.909 ; R56.2@-21.135,-9.541 ccw(c-21.519,-9.157) -20.976,-9.157 ccw(c-20.432,-9.157) R56.2@-20.816,-9.541 ; R55.1@-21.135,-8.995 cw(c-21.519,-9.379) -20.976,-9.379 cw(c-20.432,-9.379) R55.1@-20.816,-8.995 ; R57.1@-20.976,-10.639 R55.1@-20.976,-8.811 -21.103,-8.684 -21.669,-8.684
\REFSW_R: R45.1 R46.1 R58.2 TP3.1 | length 8.6
  Top Layer w0.15: R46.1@-5.276,-10.455 ccw(c-5.66,-10.071) -5.117,-10.071 ccw(c-4.573,-10.071) R46.1@-4.957,-10.455 ; R45.1@-5.276,-9.909 cw(c-5.66,-10.293) -5.117,-10.293 cw(c-4.573,-10.293) R45.1@-4.957,-9.909 ; R46.1@-5.117,-10.639 R45.1@-5.117,-9.725 -4.161,-9.725 R58.2@-4.135,-9.75 -3.94,-9.555 -3.94,-9.319 -3.122,-8.5 ; R45.1@-4.957,-9.884 cw(c-4.573,-10.268) -4.573,-9.725 cw(c-4.573,-9.182) R45.1@-4.957,-9.566 ; -4.68,-9.725 cw(c-4.68,-10.27) R58.2@-4.294,-9.884 ; -4.678,-9.725 ccw(c-4.678,-9.183) R58.2@-4.294,-9.566 ; TP3.1@-2.772,-8.706 ccw(c-3.122,-8.9) -3.122,-8.5 ; TP3.1@-2.772,-8.294 cw(c-3.122,-8.1) -3.122,-8.5 ; TP3.1@-2.4,-8.5 -3.122,-8.5
\V_MOT_EN: Q1.1 R15.2 R21.2 R29.2 U1.29 | length 21.5
  Top Layer w0.15: R15.2@-24.675,7.268 R29.2@-22.728,7.268 ; R15.2@-24.515,7.109 cw(c-24.131,6.724) -24.131,7.268 cw(c-24.131,7.811) R15.2@-24.515,7.427 ; R29.2@-22.887,7.109 ccw(c-23.271,6.724) -23.271,7.268 ccw(c-23.271,7.811) R29.2@-22.887,7.427 ; R29.2@-22.863,7.473 ccw(c-23.065,7.742) v1@-22.728,7.742 ; v1@-22.85,7.687 cw(c-23.144,7.393) R29.2@-22.728,7.393 ; v1@-22.793,7.655 cw(c-22.837,7.49) R29.2@-22.673,7.534 ; v1(-22.762,7.776) v1@-22.728,7.742 ; R29.2@-22.744,7.169 cw(c-22.793,6.94) -22.558,6.94 ; R29.2@-22.728,7.554 cw(c-22.54,7.554) v1@-22.673,7.687 ; R29.2@-22.675,7.545 cw(c-22.462,7.603) v1@-22.653,7.713 ; R29.2@-22.593,7.473 cw(c-22.392,7.742) v1@-22.728,7.742 ; -22.482,6.555 ccw(c-22.254,6.555) R21.2@-22.26,6.326 ; Q1.1@-22.436,5.35 ccw(c-22.919,5.833) -22.236,5.833 ; v1(-22.431,13.977) U1.29@-20.066,13.977 ; R21.2@-22.421,6.042 cw(c-22.866,5.597) -22.236,5.597 ; v1@-22.343,13.889 cw(c-22.13,13.675) -22.13,13.977 cw(c-22.13,14.279) v1@-22.343,14.065 ; Q1.1@-22.33,5.244 ccw(c-22.557,5.471) Q1.1@-22.236,5.471 ; R21.2@-22.256,6.476 cw(c-22.249,6.709) -22.482,6.709 ; Q1.1@-22.236,5.147 -22.236,6.201 R21.2@-22.262,6.226 -22.482,6.447 -22.482,6.709 ; Q1.1@-22.236,5.465 ccw(c-22.074,5.465) Q1.1@-22.189,5.35 ; -22.236,5.719 cw(c-21.78,5.719) R21.2@-22.102,6.042 ; U1.29@-20.721,13.928 ccw(c-20.84,13.808) -20.84,13.977 ccw(c-20.84,14.146) U1.29@-20.721,14.027 ; R29.2@-22.728,7.268 v1@-22.728,7.742 ; R29.2@-22.728,7.268 -22.558,7.098 -22.558,6.785 -22.482,6.709
  Bottom Layer w0.15: v1@-22.887,7.776 ccw(c-23.188,7.776) -22.975,7.989 ccw(c-22.762,8.202) v1@-22.762,7.901 ; v1(-22.762,7.776) -23.252,8.266 -23.252,13.156 v1(-22.431,13.977) ; v1@-22.556,13.977 cw(c-22.858,13.977) -22.645,13.764 cw(c-22.431,13.55) v1@-22.431,13.852
ANTENNA: C46.1 U6.B1 | length 3.5
  Top Layer w0.6: U6.B1@-1.146,0.638 0.583,0.638 ; 0.583,0.636 ccw(c0.583,1.5) 1.194,0.889 C46.1@1.969,1.664